# KiCad board pcb.kicad_pcb
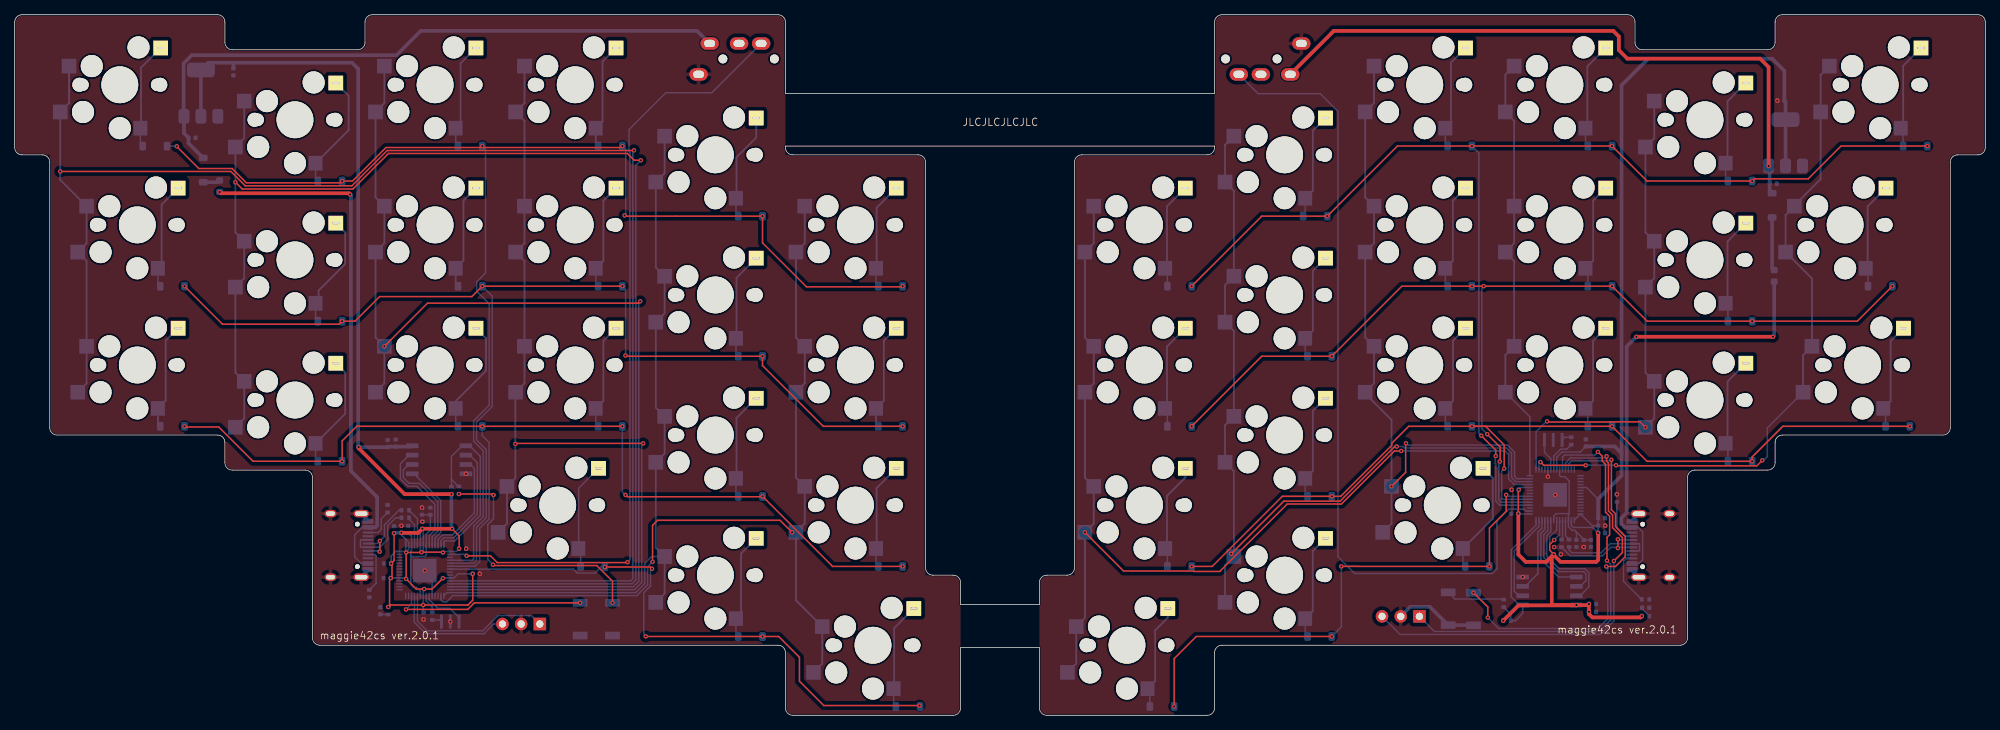
[diagram p0: board, top side]
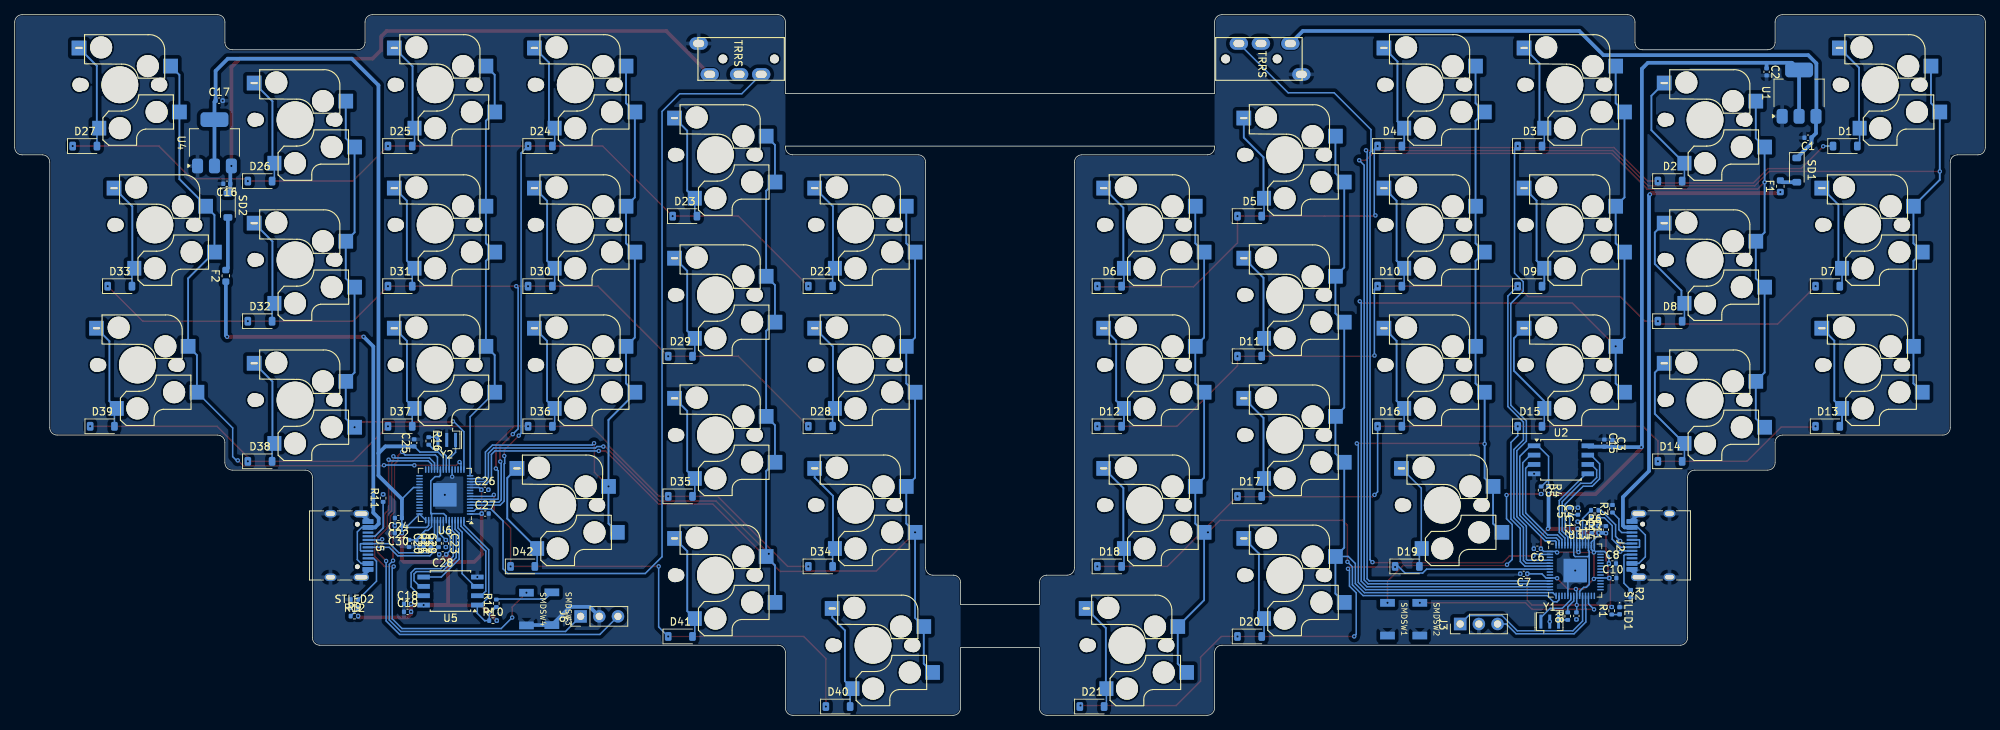
[diagram p1: board, bottom side, seen from below]

Outline 267.89 x 95.25 mm; copper layers: Top, Bottom. Coordinates in mm from the lower left corner of the outline.
Outline path: 0,94.25 arc(0.29,94.96) 1,95.25 27.57,95.25 arc(28.28,94.96) 28.57,94.25 28.57,91.49 arc(28.87,90.78) 29.57,90.49 46.62,90.49 arc(47.33,90.78) 47.62,91.49 47.62,94.25 arc(47.92,94.96) 48.62,95.25 103.78,95.25 arc(104.48,94.96) 104.78,94.25 104.78,84.53 163.12,84.53 163.12,94.25 arc(163.41,94.96) 164.12,95.25 219.27,95.25 arc(219.98,94.96) 220.27,94.25 220.27,91.49 arc(220.56,90.78) 221.27,90.49 238.32,90.49 arc(239.03,90.78) 239.32,91.49 239.32,94.25 arc(239.61,94.96) 240.32,95.25 266.89,95.25 arc(267.6,94.96) 267.89,94.25 267.89,77.2 arc(267.6,76.49) 266.89,76.2 264.13,76.2 arc(263.42,75.91) 263.13,75.2 263.13,39.1 arc(262.84,38.39) 262.13,38.1 240.32,38.1 arc(239.61,37.81) 239.32,37.1 239.32,34.34 arc(239.03,33.63) 238.32,33.34 228.41,33.34 arc(227.7,33.04) 227.41,32.34 227.41,10.52 arc(227.12,9.82) 226.41,9.52 164.12,9.52 arc(163.41,9.23) 163.12,8.52 163.12,1 arc(162.83,0.29) 162.12,0 140.31,0 arc(139.6,0.29) 139.31,1 139.31,9.21 128.59,9.21 128.59,1 arc(128.29,0.29) 127.59,0 105.78,0 arc(105.07,0.29) 104.78,1 104.78,8.52 arc(104.48,9.23) 103.78,9.52 41.48,9.52 arc(40.77,9.82) 40.48,10.52 40.48,32.34 arc(40.19,33.04) 39.48,33.34 29.57,33.34 arc(28.87,33.63) 28.57,34.34 28.57,37.1 arc(28.28,37.81) 27.57,38.1 5.76,38.1 arc(5.06,38.39) 4.76,39.1 4.76,75.2 arc(4.47,75.91) 3.76,76.2 1,76.2 arc(0.29,76.49) 0,77.2 0,94.25 ; 104.78,77.39 104.78,77.2 arc(105.07,76.49) 105.78,76.2 122.83,76.2 arc(123.53,75.91) 123.83,75.2 123.83,20.05 arc(124.12,19.34) 124.83,19.05 127.59,19.05 arc(128.29,18.76) 128.59,18.05 128.59,15.05 139.31,15.05 139.31,18.05 arc(139.6,18.76) 140.31,19.05 143.07,19.05 arc(143.78,19.34) 144.07,20.05 144.07,75.2 arc(144.36,75.91) 145.07,76.2 162.12,76.2 arc(162.83,76.49) 163.12,77.2 163.12,77.39 104.78,77.39
Stack: Top 0.035mm / dielectric 1.51mm FR4 er 4.5 / Bottom 0.035mm

## Placement (name value [footprint] x y rotation side)
C1  10u  [C_0402_1005Metric]  24.1 78.53 0 bottom
C2  10u  [C_0402_1005Metric]  29.73 87.48 270 bottom
C3  100n  [C_0402_1005Metric]  50.7 36.93 270 bottom
C4  100n  [C_0402_1005Metric]  55.38 27.75 90 bottom
C5  100n  [C_0402_1005Metric]  56.51 27.74 90 bottom
C6  100n  [C_0402_1005Metric]  60.89 22.64 0 bottom
C7  100n  [C_0402_1005Metric]  62.74 19.24 0 bottom
C8  100n  [C_0402_1005Metric]  50.69 20.64 180 bottom
C9  100n  [C_0402_1005Metric]  55.59 13.51 270 bottom
C10  100n  [C_0402_1005Metric]  50.64 18.66 180 bottom
C11  100n  [C_0402_1005Metric]  51.57 25.23 90 bottom
C12  100n  [C_0402_1005Metric]  55.41 25.84 90 bottom
C13  2.2uF  [C_0402_1005Metric]  53.51 25.26 90 bottom
C14  2.2uF  [C_0402_1005Metric]  52.57 25.29 90 bottom
C15  2.2uF  [C_0402_1005Metric]  51.79 37.01 270 bottom
C16  10u  [C_0402_1005Metric]  239.06 72.27 0 bottom
C17  10u  [C_0402_1005Metric]  240.1 83.57 180 bottom
C18  100n  [C_0402_1005Metric]  214.49 15.13 180 bottom
C19  2.2uF  [C_0402_1005Metric]  214.49 14.07 180 bottom
C20  100n  [C_0402_1005Metric]  214.28 23.36 270 bottom
C21  100n  [C_0402_1005Metric]  213.3 23.36 270 bottom
C22  100n  [C_0402_1005Metric]  215.74 25.78 0 bottom
C23  100n  [C_0402_1005Metric]  209.28 23.35 270 bottom
C24  100n  [C_0402_1005Metric]  215.73 26.82 0 bottom
C25  100n  [C_0402_1005Metric]  213.58 37.04 90 bottom
C26  100n  [C_0402_1005Metric]  203.98 30.66 180 bottom
C27  100n  [C_0402_1005Metric]  203.93 27.42 180 bottom
C28  100n  [C_0402_1005Metric]  209.71 21.88 0 bottom
C29  2.2uF  [C_0402_1005Metric]  212.3 23.37 270 bottom
C30  2.2uF  [C_0402_1005Metric]  215.73 24.79 0 bottom
D1  D  [D_SOD-123]  19.05 77.39 180 bottom
D2  D  [D_SOD-123]  42.86 72.63 180 bottom
D3  D  [D_SOD-123]  61.91 77.39 180 bottom
D4  D  [D_SOD-123]  80.96 77.39 180 bottom
D5  D  [D_SOD-123]  100.01 67.87 180 bottom
D6  D  [D_SOD-123]  119.06 58.34 180 bottom
D7  D  [D_SOD-123]  21.43 58.34 180 bottom
D8  D  [D_SOD-123]  42.86 53.58 180 bottom
D9  D  [D_SOD-123]  61.91 58.34 180 bottom
D10  D  [D_SOD-123]  80.96 58.34 180 bottom
D11  D  [D_SOD-123]  100.01 48.82 180 bottom
D12  D  [D_SOD-123]  119.06 39.29 180 bottom
D13  D  [D_SOD-123]  21.43 39.29 180 bottom
D14  D  [D_SOD-123]  42.86 34.53 180 bottom
D15  D  [D_SOD-123]  61.91 39.29 180 bottom
D16  D  [D_SOD-123]  80.96 39.29 180 bottom
D17  D  [D_SOD-123]  100.01 29.77 180 bottom
D18  D  [D_SOD-123]  119.06 20.24 180 bottom
D19  D  [D_SOD-123]  78.58 20.24 180 bottom
D20  D  [D_SOD-123]  100.01 10.72 180 bottom
D21  D  [D_SOD-123]  121.44 1.19 180 bottom
D22  D  [D_SOD-123]  158.35 58.34 180 bottom
D23  D  [D_SOD-123]  176.8 67.87 180 bottom
D24  D  [D_SOD-123]  196.45 77.39 180 bottom
D25  D  [D_SOD-123]  215.5 77.39 180 bottom
D26  D  [D_SOD-123]  234.55 72.63 180 bottom
D27  D  [D_SOD-123]  258.37 77.39 180 bottom
D28  D  [D_SOD-123]  158.35 39.29 180 bottom
D29  D  [D_SOD-123]  177.4 48.82 180 bottom
D30  D  [D_SOD-123]  196.45 58.34 180 bottom
D31  D  [D_SOD-123]  215.5 58.34 180 bottom
D32  D  [D_SOD-123]  234.55 53.58 180 bottom
D33  D  [D_SOD-123]  253.6 58.34 180 bottom
D34  D  [D_SOD-123]  158.35 20.24 180 bottom
D35  D  [D_SOD-123]  177.4 29.77 180 bottom
D36  D  [D_SOD-123]  196.45 39.29 180 bottom
D37  D  [D_SOD-123]  215.5 39.29 180 bottom
D38  D  [D_SOD-123]  234.55 34.53 180 bottom
D39  D  [D_SOD-123]  255.98 39.29 180 bottom
D40  D  [D_SOD-123]  155.97 1.19 180 bottom
D41  D  [D_SOD-123]  177.4 10.72 180 bottom
D42  D  [D_SOD-123]  198.83 20.24 180 bottom
F1  ~  [Fuse_0603_1608Metric]  27.86 71.93 90 bottom
F2  ~  [Fuse_0603_1608Metric]  239.19 59.75 90 bottom
J1  AudioJack3  [MJ-4PP-9_1side]  104.78 89.24 90 bottom
J2  USB_C_Receptacle_USB2.0_16P  [USB_C_Receptacle_HRO_TYPE-C-31-M-12]  43.98 23.1 90 bottom
J3  Conn_01x03_Pin  [PinHeader_1x03_P2.54mm_Vertical]  71.39 12.41 90 bottom
J4  AudioJack3  [MJ-4PP-9_1side]  163.11 89.24 270 bottom
J5  USB_C_Receptacle_USB2.0_16P  [USB_C_Receptacle_HRO_TYPE-C-31-M-12]  223.91 23.09 270 bottom
J6  Conn_01x03_Pin  [PinHeader_1x03_P2.54mm_Vertical]  190.96 13.45 90 bottom
R1  1k  [R_0402_1005Metric]  50.79 14.21 90 bottom
R2  5.1k  [R_0402_1005Metric]  48.21 16.54 270 bottom
R3  5.1k  [R_0402_1005Metric]  50.69 28.08 90 bottom
R4  10k  [R_0402_1005Metric]  59.37 30.57 270 bottom
R5  1k  [R_0402_1005Metric]  60.39 30.6 270 bottom
R6  27  [R_0402_1005Metric]  53.1 27.88 0 bottom
R7  27  [R_0402_1005Metric]  53.1 26.86 0 bottom
R8  1k  [R_0402_1005Metric]  56.76 13.48 90 bottom
R9  1k  [R_0402_1005Metric]  221.71 13.49 180 bottom
R10  10k  [R_0402_1005Metric]  202.87 12.87 180 bottom
R11  5.1k  [R_0402_1005Metric]  217.81 29.53 90 bottom
R12  5.1k  [R_0402_1005Metric]  221.7 15.75 0 bottom
R13  1k  [R_0402_1005Metric]  202.42 15.22 90 bottom
R14  27  [R_0402_1005Metric]  210.28 23.37 90 bottom
R15  27  [R_0402_1005Metric]  211.31 23.38 90 bottom
R16  1k  [R_0402_1005Metric]  211.6 37.3 270 bottom
SD1  ~  [D_SOD-123]  25.63 74.13 270 bottom
SD2  ~  [D_SOD-123]  238.91 69.34 270 bottom
SMDSW1  BOOT  [TS-1088R-02026]  81.27 13.07 90 bottom
SMDSW2  RESET  [TS-1088R-02026]  76.87 13.07 90 bottom
SMDSW3  BOOT  [TS-1088R-02026]  194.87 14.49 90 bottom
SMDSW4  RESET  [TS-1088R-02026]  198.32 14.44 90 bottom
STLED1  GREEN  [LED_0402_1005Metric]  49.71 14.21 270 bottom
STLED2  GREEN  [LED_0402_1005Metric]  221.72 14.62 180 bottom
SW1  SW_PUSH  [CherryMX_ChocV2_Hotswap_1.5u]  14.29 85.72 0 top
SW2  SW_PUSH  [CherryMX_ChocV2_Hotswap]  38.1 80.96 0 top
SW3  SW_PUSH  [CherryMX_ChocV2_Hotswap]  57.15 85.72 0 top
SW4  SW_PUSH  [CherryMX_ChocV2_Hotswap]  76.2 85.72 0 top
SW5  SW_PUSH  [CherryMX_ChocV2_Hotswap]  95.25 76.2 0 top
SW6  SW_PUSH  [CherryMX_ChocV2_Hotswap]  114.3 66.67 0 top
SW7  SW_PUSH  [CherryMX_ChocV2_Hotswap_1.25u]  16.67 66.67 0 top
SW8  SW_PUSH  [CherryMX_ChocV2_Hotswap]  38.1 61.91 0 top
SW9  SW_PUSH  [CherryMX_ChocV2_Hotswap]  57.15 66.67 0 top
SW10  SW_PUSH  [CherryMX_ChocV2_Hotswap]  76.2 66.67 0 top
SW11  SW_PUSH  [CherryMX_ChocV2_Hotswap]  95.25 57.15 0 top
SW12  SW_PUSH  [CherryMX_ChocV2_Hotswap]  114.3 47.62 0 top
SW13  SW_PUSH  [CherryMX_ChocV2_Hotswap_1.25u]  16.67 47.62 0 top
SW14  SW_PUSH  [CherryMX_ChocV2_Hotswap]  38.1 42.86 0 top
SW15  SW_PUSH  [CherryMX_ChocV2_Hotswap]  57.15 47.62 0 top
SW16  SW_PUSH  [CherryMX_ChocV2_Hotswap]  76.2 47.62 0 top
SW17  SW_PUSH  [CherryMX_ChocV2_Hotswap]  95.25 38.1 0 top
SW18  SW_PUSH  [CherryMX_ChocV2_Hotswap]  114.3 28.57 0 top
SW19  SW_PUSH  [CherryMX_ChocV2_Hotswap_1.25u]  73.82 28.57 0 top
SW20  SW_PUSH  [CherryMX_ChocV2_Hotswap]  95.25 19.05 0 top
SW21  SW_PUSH  [CherryMX_ChocV2_Hotswap_1.25u]  116.68 9.52 0 top
SW22  SW_PUSH  [CherryMX_ChocV2_Hotswap]  153.59 66.67 0 top
SW23  SW_PUSH  [CherryMX_ChocV2_Hotswap]  172.64 76.2 0 top
SW24  SW_PUSH  [CherryMX_ChocV2_Hotswap]  191.69 85.72 0 top
SW25  SW_PUSH  [CherryMX_ChocV2_Hotswap]  210.74 85.72 0 top
SW26  SW_PUSH  [CherryMX_ChocV2_Hotswap]  229.79 80.96 0 top
SW27  SW_PUSH  [CherryMX_ChocV2_Hotswap_1.5u]  253.6 85.72 0 top
SW28  SW_PUSH  [CherryMX_ChocV2_Hotswap]  153.59 47.62 0 top
SW29  SW_PUSH  [CherryMX_ChocV2_Hotswap]  172.64 57.15 0 top
SW30  SW_PUSH  [CherryMX_ChocV2_Hotswap]  191.69 66.67 0 top
SW31  SW_PUSH  [CherryMX_ChocV2_Hotswap]  210.74 66.67 0 top
SW32  SW_PUSH  [CherryMX_ChocV2_Hotswap]  229.79 61.91 0 top
SW33  SW_PUSH  [CherryMX_ChocV2_Hotswap]  248.84 66.67 0 top
SW34  SW_PUSH  [CherryMX_ChocV2_Hotswap]  153.59 28.57 0 top
SW35  SW_PUSH  [CherryMX_ChocV2_Hotswap]  172.64 38.1 0 top
SW36  SW_PUSH  [CherryMX_ChocV2_Hotswap]  191.69 47.62 0 top
SW37  SW_PUSH  [CherryMX_ChocV2_Hotswap]  210.74 47.62 0 top
SW38  SW_PUSH  [CherryMX_ChocV2_Hotswap]  229.79 42.86 0 top
SW39  SW_PUSH  [CherryMX_ChocV2_Hotswap_1.25u]  251.22 47.62 0 top
SW40  SW_PUSH  [CherryMX_ChocV2_Hotswap_1.25u]  151.21 9.52 0 top
SW41  SW_PUSH  [CherryMX_ChocV2_Hotswap]  172.64 19.05 0 top
SW42  SW_PUSH  [CherryMX_ChocV2_Hotswap_1.25u]  194.07 28.57 0 top
U1  NCP1117-3.3_SOT223  [SOT-223-3_TabPin2]  25.31 84.59 90 bottom
U2  W25Q128JVSIQ  [SOIC-8W_5.3x5.3mm_P1.27mm]  57.69 34.74 180 bottom
U3  RP2040  [QFN-56-1EP_7x7mm_P0.4mm_EP3.2x3.2mm]  55.75 19.68 180 bottom
U4  NCP1117-3.3_SOT223  [SOT-223-3_TabPin2]  240.74 77.84 90 bottom
U5  W25Q128JVSIQ  [SOIC-8W_5.3x5.3mm_P1.27mm]  208.65 16.89 0 bottom
U6  RP2040  [QFN-56-1EP_7x7mm_P0.4mm_EP3.2x3.2mm]  209.42 29.97 0 bottom
Y1  12MHz  [Resonator_SMD_Murata_CSTxExxV-3Pin_3.0x1.1mm]  59.21 12.74 180 bottom
Y2  12MHz  [Resonator_SMD_Murata_CSTxExxV-3Pin_3.0x1.1mm]  209.16 37.44 0 bottom

## Library data of the parts
C1 C2 C16 C17 = -: Description: Unpolarized capacitor, small symbol; LCSC: C15525; ki_fp_filters: C_*
C3-C12 C18 C20-C28 = -: Description: Unpolarized capacitor, small symbol; LCSC: C1525; ki_fp_filters: C_*
C13-C15 C19 C29 C30 = -: Description: Unpolarized capacitor, small symbol; LCSC: C12530; ki_fp_filters: C_*
D1-D42 = -: Description: Diode, small symbol; Sim.Pins: 1=K 2=A; LCSC: C81598; ki_fp_filters: TO-???* *_Diode_* *SingleDiode* D_*
F1 F2 = -: Description: Resettable fuse, polymeric positive temperature coefficient, small symbol; LCSC: C2757930; ki_fp_filters: *polyfuse* *PTC*
J1 J4 = -: Description: 4-pin (audio) jack receptable (stereo + 4th pin/TRRS connector), compatible with PJ320A; LCSC: C22459514
J2 J5 = -: Datasheet: https://www.usb.org/sites/default/files/documents/usb_type-c.zip; Description: USB 2.0-only 16P Type-C Receptacle connector; LCSC: C165948; ki_fp_filters: USB*C*Receptacle*
J3 J6 = -: Description: Generic connector, single row, 01x03, script generated; ki_fp_filters: Connector*:*_1x??_*
R1 R5 R8 R9 R13 R16 = -: Description: Resistor, small symbol; LCSC: C11702; ki_fp_filters: R_*
R2 R3 R11 R12 = -: Description: Resistor, small symbol; LCSC: C25905; ki_fp_filters: R_*
R4 R10 = -: Description: Resistor, small symbol; LCSC: C25744; ki_fp_filters: R_*
R6 R7 R14 R15 = -: Description: Resistor, small symbol; LCSC: C25100; ki_fp_filters: R_*
SD1 SD2 = -: Description: Schottky diode, small symbol; LCSC: C8598; ki_fp_filters: TO-???* *_Diode_* *SingleDiode* D_*
SMDSW1-SMDSW4 = -: Description: Push button switch, generic, two pins; LCSC: C455280
STLED1 STLED2 = -: Description: Light emitting diode, small symbol; LCSC: C130723; ki_fp_filters: LED* LED_SMD:* LED_THT:*
SW1-SW42 = -: Description: Push button switch, generic, two pins
U1 U4 = -: Datasheet: http://www.onsemi.com/pub_link/Collateral/NCP1117-D.PDF; Description: 1A Low drop-out regulator, Fixed Output 3.3V, SOT-223; LCSC: C347222; ki_fp_filters: SOT?223*TabPin2*
U2 U5 = -: Datasheet: http://www.winbond.com/resource-files/w25q128jv_dtr%20revc%2003272018%20plus.pdf; Description: 128Mb Serial Flash Memory, Standard/Dual/Quad SPI, SOIC-8; LCSC: C97521; ki_fp_filters: SOIC*5.23x5.23mm*P1.27mm*
U3 U6 = -: Datasheet: https://datasheets.raspberrypi.com/rp2040/rp2040-datasheet.pdf; Description: A microcontroller by Raspberry Pi; LCSC: C2040; ki_fp_filters: QFN*1EP*7x7mm?P0.4mm*
Y1 Y2 = -: Description: Three pin crystal, GND on pin 2, small symbol; LCSC: C341520; ki_fp_filters: Crystal*

## Footprints (pads in the part's own frame, mm; a bottom-side part is the same pattern mirrored in y, then rotated)
C_0402_1005Metric
  rrect 0.56x0.62 smd: 1(-0.48,0) 2(0.48,0)
CherryMX_ChocV2_Hotswap
  round 1.9 hole 1.9 unplated: (-5.5,0) (5.5,0)
  round 1.7 hole 1.7 unplated: (-5.08,0) (5.08,0)
  round 3 hole 3 unplated: (-5,-3.7) (-3.81,2.54) (0,-5.9) (2.54,5.08)
  round 4 hole 4 unplated: (0,0)
  round 5 hole 5 unplated: (0,0)
  rect 2x2 smd far side: 1(-8.1,-3.7) 1(-6.9,2.54)
  rect 1.9x2 smd far side: 2(2.8,-5.9)
  rect 2x2 hole 1x0.3: 2(5.55,5)
CherryMX_ChocV2_Hotswap_1.5u
  round 1.9 hole 1.9 unplated: (-5.5,0) (5.5,0)
  round 1.7 hole 1.7 unplated: (-5.08,0) (5.08,0)
  round 3 hole 3 unplated: (-5,-3.7) (-3.81,2.54) (0,-5.9) (2.54,5.08)
  round 4 hole 4 unplated: (0,0)
  round 5 hole 5 unplated: (0,0)
  rect 2x2 smd far side: 1(-8.1,-3.7) 1(-6.9,2.54)
  rect 1.9x2 smd far side: 2(2.8,-5.9)
  rect 2x2 hole 1x0.3: 2(5.55,5)
CherryMX_ChocV2_Hotswap_1.25u
  round 1.9 hole 1.9 unplated: (-5.5,0) (5.5,0)
  round 1.7 hole 1.7 unplated: (-5.08,0) (5.08,0)
  round 3 hole 3 unplated: (-5,-3.7) (-3.81,2.54) (0,-5.9) (2.54,5.08)
  round 4 hole 4 unplated: (0,0)
  round 5 hole 5 unplated: (0,0)
  rect 2x2 smd far side: 1(-8.1,-3.7) 1(-6.9,2.54)
  rect 1.9x2 smd far side: 2(2.8,-5.9)
  rect 2x2 hole 1x0.3: 2(5.55,5)
D_SOD-123
  rrect 0.9x1.2 smd: 1(-1.65,0) 2(1.65,0)
Fuse_0603_1608Metric
  rrect 0.875x0.95 smd: 1(-0.787,0) 2(0.787,0)
LED_0402_1005Metric
  rrect 0.59x0.64 smd: 1(-0.485,0) 2(0.485,0)
MJ-4PP-9_1side
  round 1.2 hole 1.2 unplated: (0,-8.5) (0,-1.5)
  oval 1.7x2.5 hole 1x1.5: A(-2.1,-11.8) B(2.1,-3.3) C(2.1,-6.3) D(2.1,-10.3)
PinHeader_1x03_P2.54mm_Vertical
  rect 1.7x1.7 hole 1: 1(0,0)
  oval 1.7x1.7 hole 1: 2(0,-2.54) 3(0,-5.08)
QFN-56-1EP_7x7mm_P0.4mm_EP3.2x3.2mm
  rrect 1.29x1.29 smd: (-0.8,-0.8) (-0.8,0.8) (0.8,-0.8) (0.8,0.8)
  rrect 0.875x0.2 smd: 1(-3.438,2.6) 2(-3.438,2.2) 3(-3.438,1.8) 4(-3.438,1.4) 5(-3.438,1) 6(-3.438,0.6) 7(-3.438,0.2) 8(-3.438,-0.2) 9(-3.438,-0.6) 10(-3.438,-1) 11(-3.438,-1.4) 12(-3.438,-1.8) 13(-3.438,-2.2) 14(-3.438,-2.6) 29(3.438,-2.6) 30(3.438,-2.2) 31(3.438,-1.8) 32(3.438,-1.4) 33(3.438,-1) 34(3.438,-0.6) 35(3.438,-0.2) 36(3.438,0.2) 37(3.438,0.6) 38(3.438,1) 39(3.438,1.4) 40(3.438,1.8) 41(3.438,2.2) 42(3.438,2.6)
  rrect 0.2x0.875 smd: 15(-2.6,-3.438) 16(-2.2,-3.438) 17(-1.8,-3.438) 18(-1.4,-3.438) 19(-1,-3.438) 20(-0.6,-3.438) 21(-0.2,-3.438) 22(0.2,-3.438) 23(0.6,-3.438) 24(1,-3.438) 25(1.4,-3.438) 26(1.8,-3.438) 27(2.2,-3.438) 28(2.6,-3.438) 43(2.6,3.438) 44(2.2,3.438) 45(1.8,3.438) 46(1.4,3.438) 47(1,3.438) 48(0.6,3.438) 49(0.2,3.438) 50(-0.2,3.438) 51(-0.6,3.438) 52(-1,3.438) 53(-1.4,3.438) 54(-1.8,3.438) 55(-2.2,3.438) 56(-2.6,3.438)
  rect 3.2x3.2 smd: 57(0,0)
R_0402_1005Metric
  rrect 0.54x0.64 smd: 1(-0.51,0) 2(0.51,0)
Resonator_SMD_Murata_CSTxExxV-3Pin_3.0x1.1mm
  rect 0.4x1.9 smd: 1(-1.2,0) 2(0,0) 3(1.2,0)
SOIC-8W_5.3x5.3mm_P1.27mm
  rect 1.7x0.65 smd: 1(-3.65,1.905) 2(-3.65,0.635) 3(-3.65,-0.635) 4(-3.65,-1.905) 5(3.65,-1.905) 6(3.65,-0.635) 7(3.65,0.635) 8(3.65,1.905)
SOT-223-3_TabPin2
  rrect 2x1.5 smd: 1(-3.15,2.3) 2(-3.15,0) 3(-3.15,-2.3)
  rrect 2x3.8 smd: 2(3.15,0)
TS-1088R-02026
  rect 1.05x2 smd: 1(-2.225,0) 2(2.225,0)
USB_C_Receptacle_HRO_TYPE-C-31-M-12
  round 0.65 hole 0.65 unplated: (-2.89,2.6) (2.89,2.6)
  rect 0.6x1.45 smd: A1(-3.25,4.045) A4(-2.45,4.045) A9(2.45,4.045) A12(3.25,4.045) B1(3.25,4.045) B4(2.45,4.045) B9(-2.45,4.045) B12(-3.25,4.045)
  rect 0.3x1.45 smd: A5(-1.25,4.045) A6(-0.25,4.045) A7(0.25,4.045) A8(1.25,4.045) B5(1.75,4.045) B6(0.75,4.045) B7(-0.75,4.045) B8(-1.75,4.045)
  oval 1x1.6 hole 0.6x1.2: S1(-4.32,-1.05) S1(4.32,-1.05)
  oval 1x2.1 hole 0.6x1.7: S1(-4.32,3.13) S1(4.32,3.13)
